# KiCad board tc2-panel.kicad_pcb
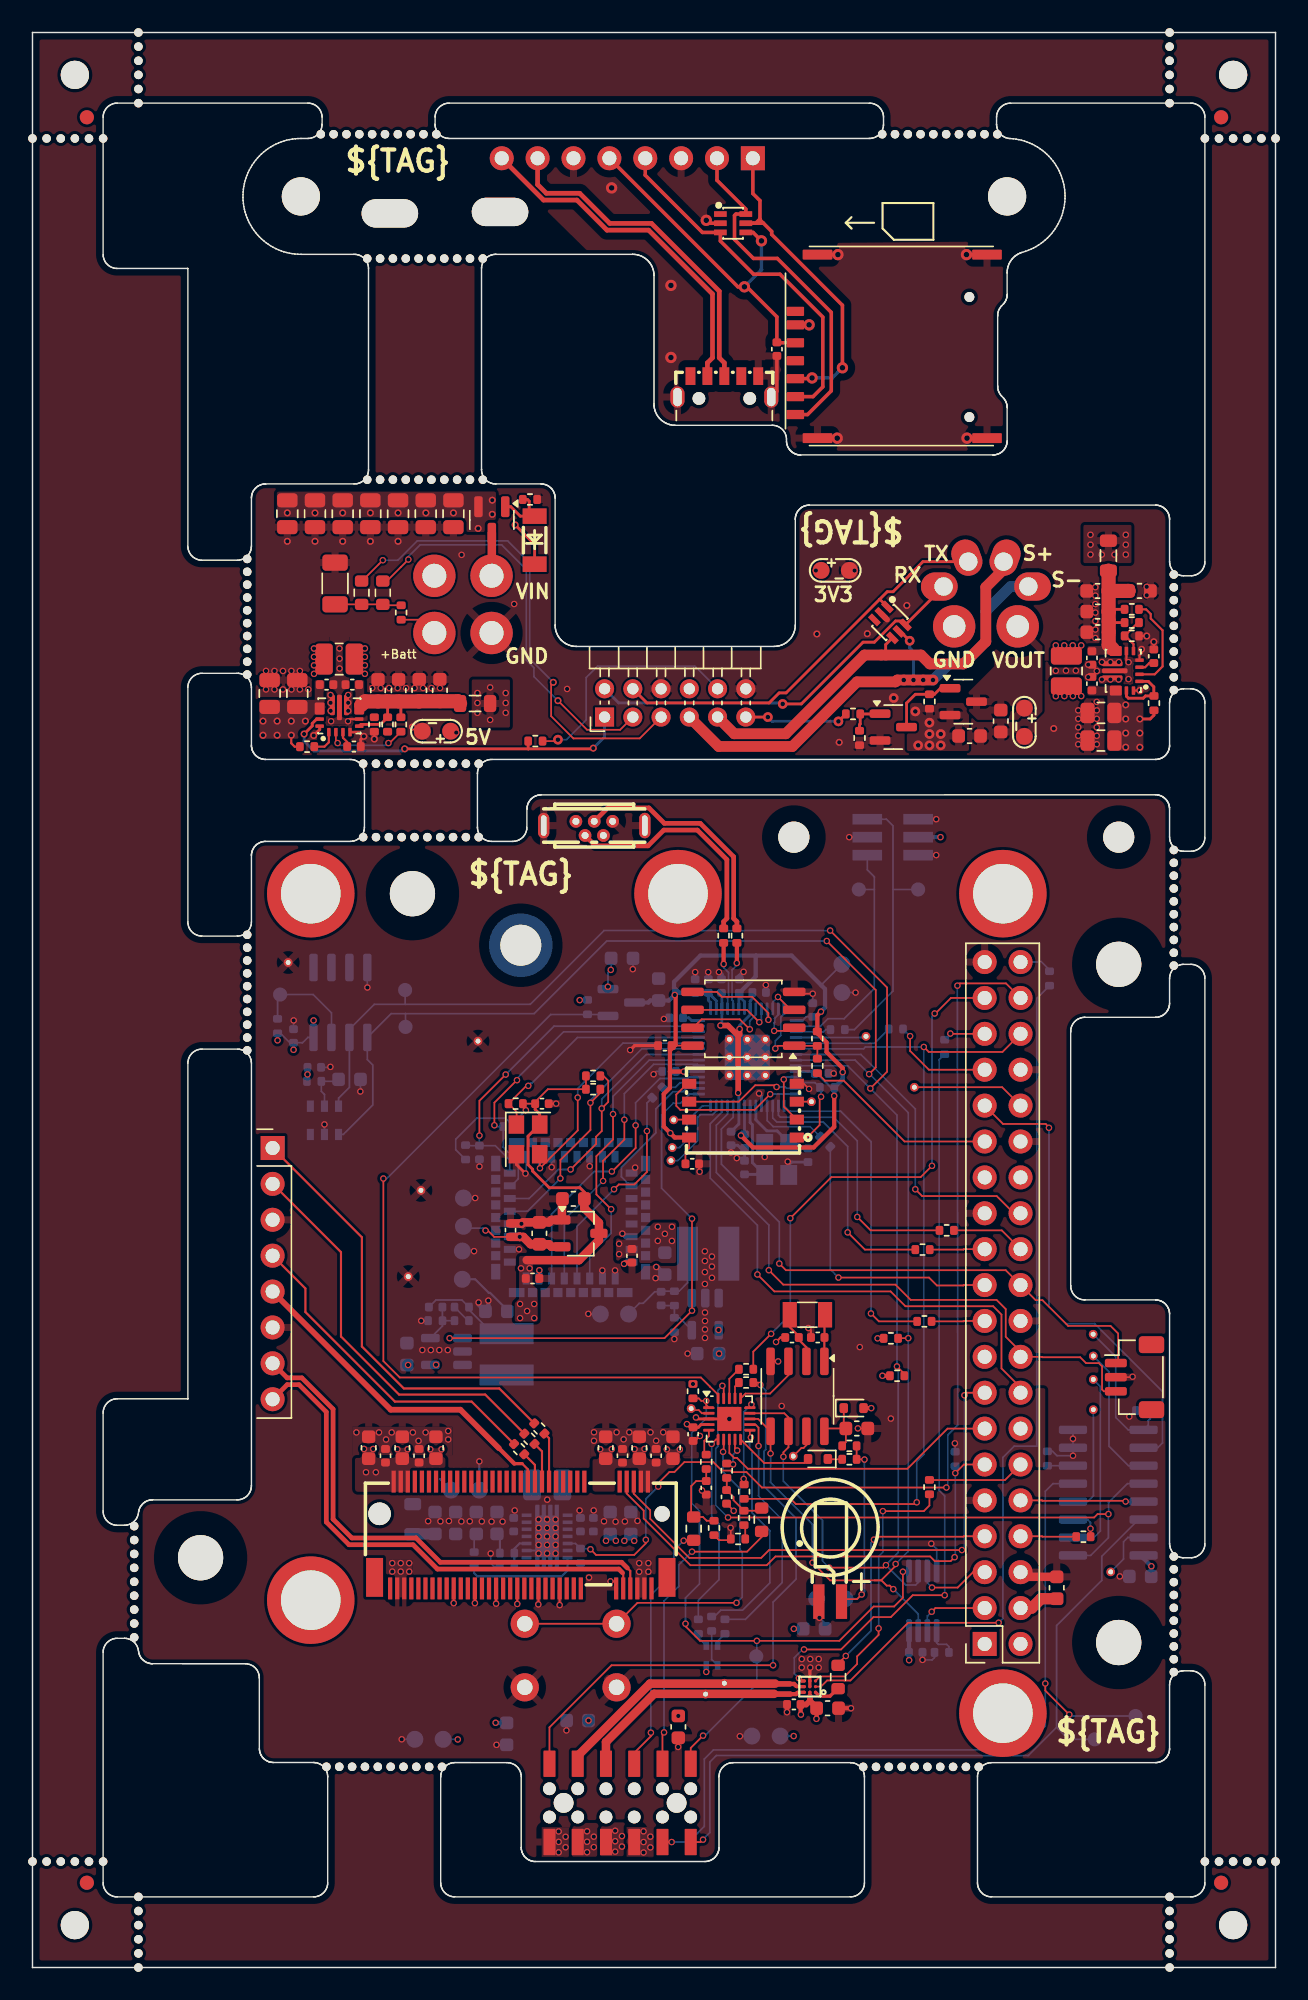
[diagram p0: board, top side]
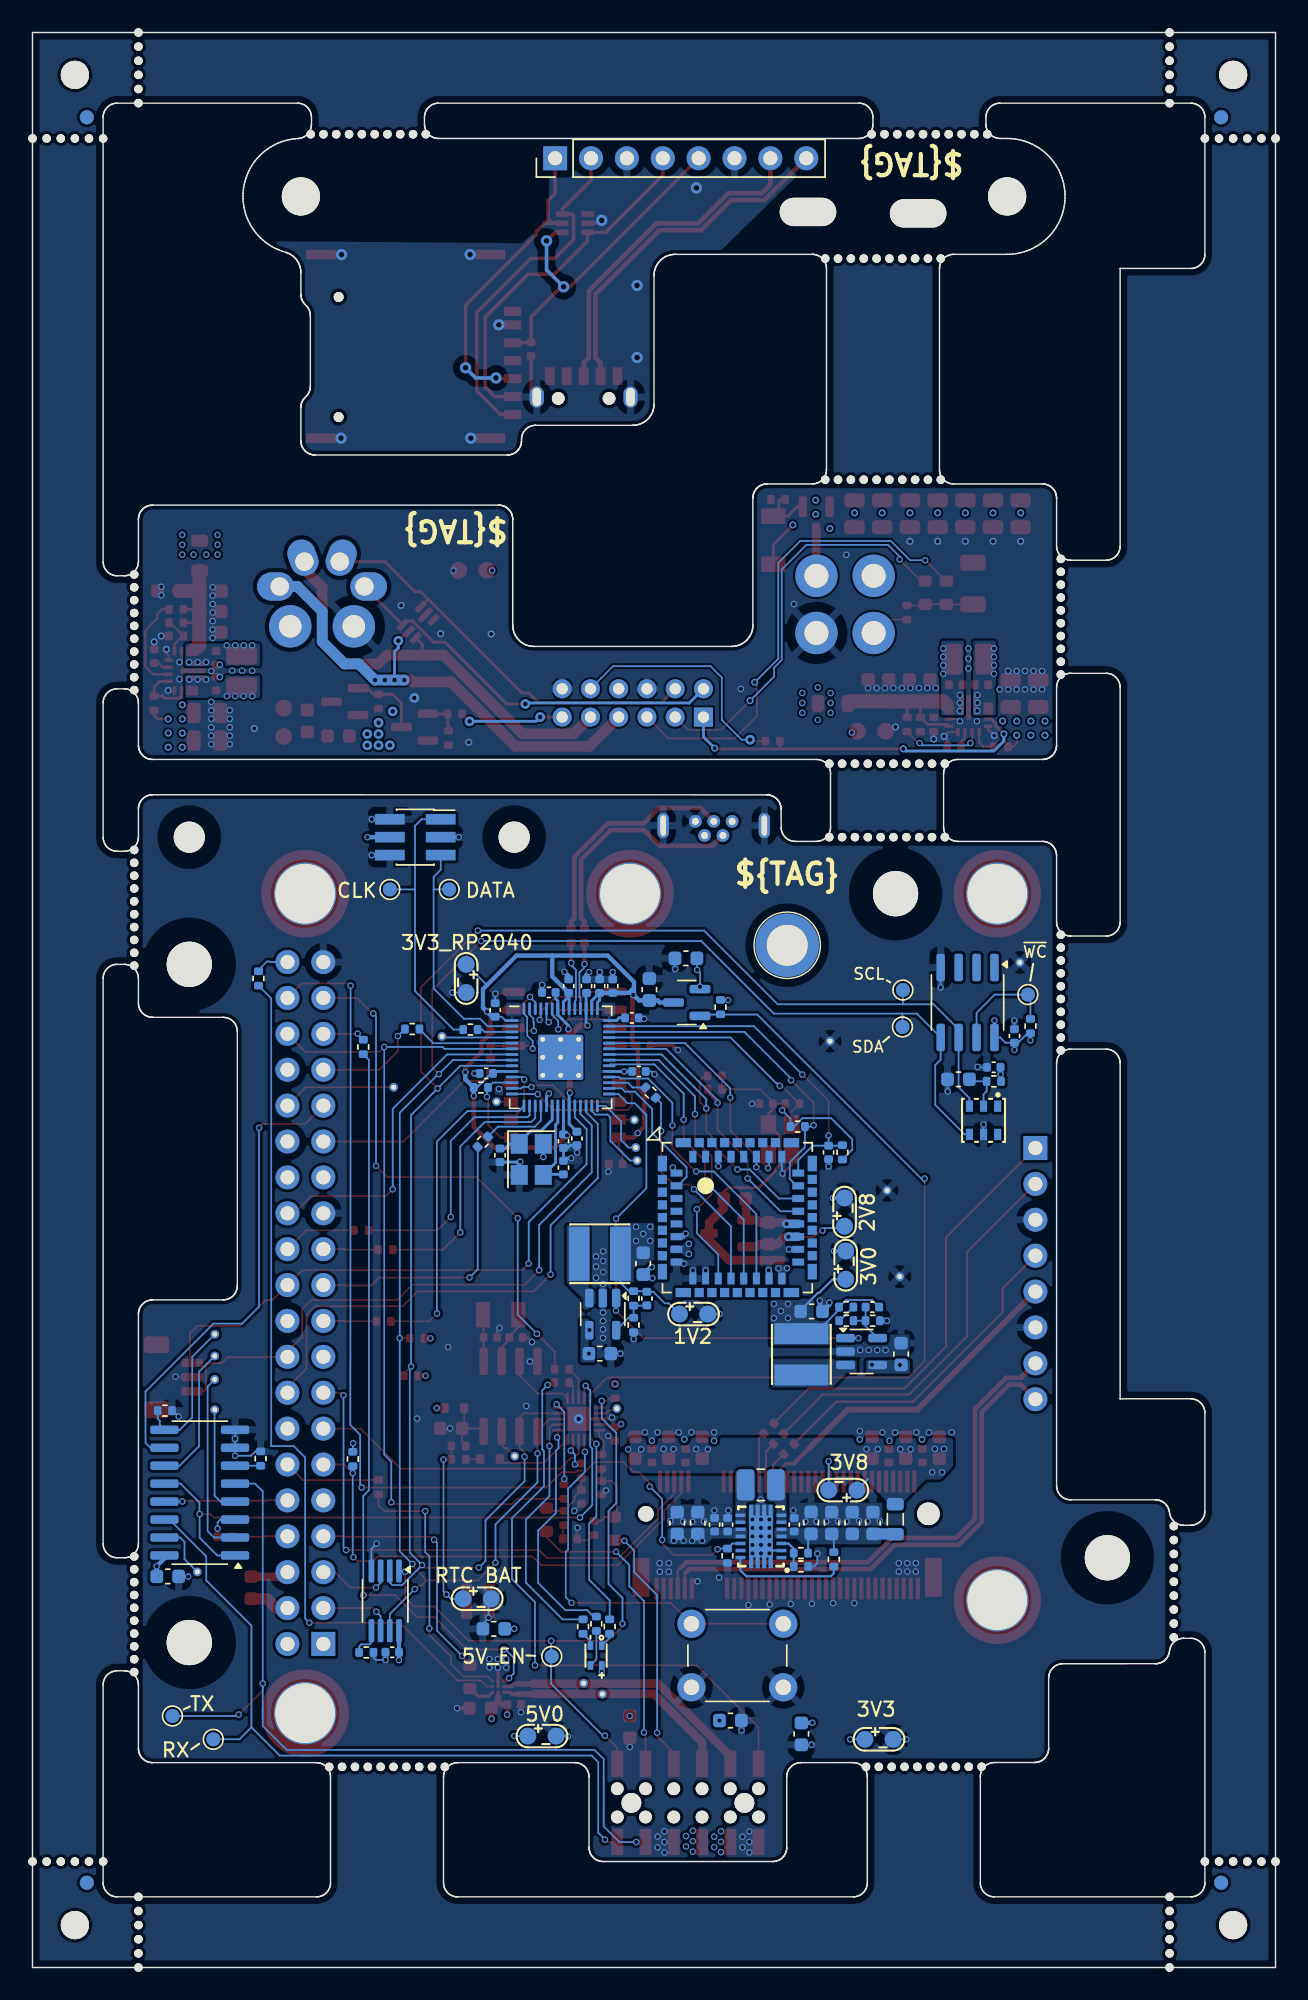
[diagram p1: board, bottom side, seen from below]

Outline 88 x 136.95 mm; copper layers: Top, In1.Cu, In2.Cu, In3.Cu, In4.Cu, Bottom. Coordinates in mm from the lower left corner of the outline.
Stack: Top 0.035mm / dielectric 0.1mm FR4 er 4.5 / In1.Cu 0.035mm / dielectric 0.535mm FR4 er 4.5 / In2.Cu 0.035mm / dielectric 0.1mm FR4 er 4.5 / In3.Cu 0.035mm / dielectric 0.535mm FR4 er 4.5 / In4.Cu 0.035mm / dielectric 0.1mm FR4 er 4.5 / Bottom 0.035mm

## Placement (name value [footprint] x y rotation side)
BT101  Battery_Cell  [CAP-SMD_FL11E]  56.47 26.07 270 top
C101  220nF  [C_0402_1005Metric]  51.45 69.01 0 bottom
C102  220nF  [C_0402_1005Metric]  49.46 58.67 270 bottom
C103  220nF  [C_0402_1005Metric]  55.88 63.28 0 bottom
C104  220nF  [C_0402_1005Metric]  45.07 63.42 180 bottom
C105  220nF  [C_0402_1005Metric]  45.57 67.21 180 bottom
C106  220nF  [C_0402_1005Metric]  55.24 67.77 90 bottom
C107  220nF  [C_0402_1005Metric]  50.41 58.48 270 bottom
C108  220nF  [C_0402_1005Metric]  50.04 69.46 90 bottom
C109  220nF  [C_0402_1005Metric]  46.92 69.46 90 bottom
C110  10uF  [C_0603_1608Metric]  44.33 69.22 90 bottom
C111  10uF  [C_0603_1608Metric]  41.74 71.43 0 bottom
C112  1u  [C_0402_1005Metric]  48.78 69.46 90 bottom
C113  1u  [C_0402_1005Metric]  47.85 69.46 90 bottom
C114  220nF  [C_0402_1005Metric]  44.77 65.25 180 top
C115  12pF  [C_0402_1005Metric]  54.9 57.48 90 bottom
C116  12pF  [C_0402_1005Metric]  50.41 56.62 270 bottom
C117  220nF  [C_0402_1005Metric]  46.71 56.88 0 top
C118  1u  [C_0402_1005Metric]  19.95 63.71 0 bottom
C119  10uF  [C_0603_1608Metric]  22.45 62.86 0 bottom
C120  10uF  [C_0603_1608Metric]  58.36 38.15 0 top
C121  220nF  [C_0402_1005Metric]  18.48 65.93 270 bottom
C122  22pF  [C_0402_1005Metric]  55.59 44.59 180 top
C123  22pF  [C_0402_1005Metric]  53.77 44.59 180 top
C124  22uF  [C_0603_1608Metric]  55.34 23.97 0 bottom
C125  22uF  [C_0603_1608Metric]  33.57 16.54 270 bottom
C126  22uF  [C_0603_1608Metric]  45.72 17.03 270 top
C127  22uF  [C_0603_1608Metric]  38.59 17.48 180 bottom
C128  10uF  [C_0603_1608Metric]  56.29 18.35 0 top
C129  220nF  [C_0402_1005Metric]  53.9 18.62 0 top
C130  220nF  [C_0402_1005Metric]  62.53 22.31 180 bottom
C131  22uF  [C_0603_1608Metric]  72.51 26.88 90 top
C132  10uF  [C_0603_1608Metric]  78.42 27.68 180 bottom
C133  10uF  [C_0603_1608Metric]  26.51 43.42 90 bottom
C134  12pF  [C_0402_1005Metric]  28.54 46.74 180 bottom
C135  10uF  [C_0603_1608Metric]  32.84 46.44 180 bottom
C136  10uF  [C_0603_1608Metric]  47.83 43.45 180 bottom
C137  10uF  [C_0603_1608Metric]  38.29 54.4 180 top
C138  10uF  [C_0603_1608Metric]  35.88 51.96 90 top
C139  12pF  [C_0402_1005Metric]  44.5 47.35 90 bottom
C140  10uF  [C_0603_1608Metric]  44.77 49.82 270 bottom
C141  220nF  [C_0402_1005Metric]  36.07 61.14 0 top
C142  220nF  [C_0402_1005Metric]  42.44 50.38 270 top
C143  220nF  [C_0402_1005Metric]  35.4 48.77 0 top
C144  220nF  [C_0402_1005Metric]  33.84 52.19 90 top
C145  220nF  [C_0402_1005Metric]  31.64 57.69 270 bottom
C146  22uF  [C_0603_1608Metric]  42.36 31.46 90 bottom
C147  22uF  [C_0603_1608Metric]  40.9 31.46 90 bottom
C148  220nF  [C_0402_1005Metric]  39.71 31.34 270 bottom
C149  12pF  [C_0402_1005Metric]  38.79 31.34 270 bottom
C150  220nF  [C_0402_1005Metric]  34.07 31.34 270 bottom
C151  22uF  [C_0603_1608Metric]  28.5 31.46 90 bottom
C152  22uF  [C_0603_1608Metric]  32.88 31.46 90 bottom
C153  22uF  [C_0603_1608Metric]  31.42 31.46 90 bottom
C154  22uF  [C_0603_1608Metric]  29.96 31.46 90 bottom
C155  22uF  [C_0603_1608Metric]  40.58 36.79 90 top
C156  22uF  [C_0603_1608Metric]  42.96 36.79 90 top
C157  22uF  [C_0603_1608Metric]  45.34 36.79 90 top
C158  220nF  [C_0402_1005Metric]  44.15 36.22 270 top
C159  12pF  [C_0402_1005Metric]  41.77 36.22 270 top
C160  22uF  [C_0603_1608Metric]  23.8 36.79 90 top
C161  22uF  [C_0603_1608Metric]  26.18 36.79 90 top
C162  22uF  [C_0603_1608Metric]  28.56 36.79 90 top
C163  220nF  [C_0402_1005Metric]  24.99 36.22 270 top
C164  12pF  [C_0402_1005Metric]  27.37 36.22 270 top
C165  22pF  [C_0402_1005Metric]  47.7 33.95 90 top
C166  220nF  [C_0402_1005Metric]  46.77 37.75 90 top
C167  22pF  [C_0402_1005Metric]  49.14 33.31 90 top
C201  22uF  [C_0805_2012Metric]  29.8 102.89 270 top
C202  22uF  [C_0805_2012Metric]  25.88 102.89 270 top
C203  22uF  [C_0805_2012Metric]  23.92 102.89 270 top
C204  22uF  [C_0805_2012Metric]  21.96 102.89 270 top
C205  22uF  [C_0805_2012Metric]  20 102.89 270 top
C206  22uF  [C_0805_2012Metric]  27.84 102.89 270 top
C207  22uF  [C_0805_2012Metric]  18.04 102.89 270 top
C208  10uF  [C_0603_1608Metric]  66.34 87.16 0 top
C209  10uF  [C_0603_1608Metric]  68.55 88.22 270 top
C210  22uF  [C_0805_2012Metric]  75.64 86.84 180 top
C211  22uF  [C_0805_2012Metric]  75.64 88.8 180 top
C212  2.2uF  [C_0402_1005Metric]  75 90.87 90 top
C213  10uF  [C_0402_1005Metric]  75 92.69 270 top
C214  22uF  [C_0603_1608Metric]  75.41 94.5 180 top
C215  22uF  [C_0603_1608Metric]  75.41 95.97 180 top
C216  22uF  [C_0603_1608Metric]  75.41 97.42 180 top
C217  22uF  [C_0603_1608Metric]  78.37 97.43 0 top
C218  100nF  [C_0402_1005Metric]  79.38 92.81 90 top
C219  22uF  [C_0805_2012Metric]  16.79 90.16 90 top
C220  22uF  [C_0805_2012Metric]  18.75 90.16 90 top
C221  2.2uF  [C_0402_1005Metric]  20.82 90.8 0 top
C222  10uF  [C_0402_1005Metric]  22.64 90.8 180 top
C223  22uF  [C_0603_1608Metric]  24.46 90.38 90 top
C224  22uF  [C_0603_1608Metric]  25.92 90.38 90 top
C225  22uF  [C_0603_1608Metric]  27.38 90.4 90 top
C226  22uF  [C_0603_1608Metric]  28.84 90.4 90 top
C227  100nF  [C_0402_1005Metric]  22.76 86.41 0 top
C228  1uF  [C_1206_3216Metric]  21.42 97.95 90 top
C501  220nF  [C_0402_1005Metric]  52.7 114.54 90 top
D101  D  [D_SOD-523]  58.13 39.59 0 top
D102  D  [D_SOD-523]  55.61 35.99 180 top
D201  D_Zener  [LL-34_L3.5-W1.5-RD]  35.55 101.02 90 top
D202  SMF05CT1G  [SOT-363_L2.0-W1.3-P0.65-LS2.1-BR]  60.7 95.2 135 top
D501  SMF05CT1G  [SOT-363_L2.0-W1.3-P0.65-LS2.1-BR]  49.6 123.45 180 top
FB101  FerriteBead  [L_0805_2012Metric]  26.92 31.73 90 bottom
FB201  FerriteBead  [L_0805_2012Metric]  76.17 99.92 90 top
FB202  FerriteBead  [L_0805_2012Metric]  31.33 89.46 0 top
H101  MountingHole  [MountingHole_2.2mm_M2]  76.9 80 180 bottom
H102  MountingHole  [MountingHole_2.2mm_M2]  53.9 80 180 bottom
H103  MountingHole  [MountingHole_3.2mm_M3]  26.9 76 180 bottom
H104  MountingHole  [MountingHole_3.2mm_M3]  76.9 23 180 bottom
H105  MountingHole  [MountingHole_3.2mm_M3]  76.9 71 180 bottom
H106  MountingHole  [MountingHole_3.2mm_M3]  11.9 29 180 bottom
H501  MountingHole  [MountingHole_2.7mm_M2.5]  69 125.35 270 top
H502  MountingHole  [MountingHole_2.7mm_M2.5]  19 125.35 270 top
J101  Conn_02x03_Odd_Even  [mic-pcb]  60.9 80 180 bottom
J102  USB_B_Micro  [MICRO-USB-TH_MICRO-USB-A14]  39.77 80.62 0 top  (not fitted)
J103  Conn_01x03  [JST_SH_BM03B-SRSS-TB_1x03-1MP_P1.00mm_Vertical]  78.02 41.78 270 top
J104  Conn_02x06_Odd_Even  [power-pcb-3.1]  41.6 11.65 180 top
J105  Screw_Terminal_01x01  [smd_nut_SMTSO25]  68.7 76 0 top
J106  Screw_Terminal_01x01  [smd_nut_SMTSO25]  19.7 26 0 top
J107  Screw_Terminal_01x01  [smd_nut_SMTSO25]  19.7 76 0 top
J108  Screw_Terminal_01x01  [smd_nut_SMTSO25]  45.7 76 0 top
J109  Screw_Terminal_01x01  [smd_nut_SMTSO25]  68.7 18 0 top
J110  Raspberry_Pi_2_3  [rpi-throughhole-socket]  67.41 22.9 180 top
J111  Conn_01x08  [sim-usb-pcb]  17 58 0 top
J112  Screw_Terminal_01x01  [M2_modem_mount_screw]  34.57 72.35 180 bottom
J201  JCON_M16_04Pin  [jcon-4pin_m16]  30.48 96.47 90 top
J202  JCON_M16_2+4Pin  [jcon-2+4pin-m16]  67.5 96.5 0 top
J203  Conn_02x06_Odd_Even  [PinHeader_2x06_P2.00mm_Horizontal]  40.5 88.5 90 top
J501  Conn_01x08  [PinHeader_1x08_P2.54mm_Vertical]  51 128.05 90 bottom
KiKit_FID_B_1  -  [Fiducial]  3.85 130.95 180 bottom
KiKit_FID_B_2  -  [Fiducial]  84.15 130.95 180 bottom
KiKit_FID_B_3  -  [Fiducial]  3.85 6 180 bottom
KiKit_FID_B_4  -  [Fiducial]  84.15 6 180 bottom
KiKit_FID_T_1  -  [Fiducial]  3.85 130.95 0 top
KiKit_FID_T_2  -  [Fiducial]  84.15 130.95 0 top
KiKit_FID_T_3  -  [Fiducial]  3.85 6 0 top
KiKit_FID_T_4  -  [Fiducial]  84.15 6 0 top
KiKit_MB_1_2  -  [NPTH]  15.2 64.91 0 top
KiKit_MB_1_3  -  [NPTH]  15.2 65.82 0 top
KiKit_MB_1_4  -  [NPTH]  15.2 66.73 0 top
KiKit_MB_1_5  -  [NPTH]  15.2 67.64 0 top
KiKit_MB_1_6  -  [NPTH]  15.2 68.55 0 top
KiKit_MB_1_7  -  [NPTH]  15.2 69.45 0 top
KiKit_MB_1_8  -  [NPTH]  15.2 70.36 0 top
KiKit_MB_1_9  -  [NPTH]  15.2 71.27 0 top
KiKit_MB_1_10  -  [NPTH]  15.2 72.18 0 top
KiKit_MB_1_11  -  [NPTH]  15.2 73.09 0 top
KiKit_MB_2_2  -  [NPTH]  28.99 14.2 0 top
KiKit_MB_2_3  -  [NPTH]  28.08 14.2 0 top
KiKit_MB_2_4  -  [NPTH]  27.17 14.2 0 top
KiKit_MB_2_5  -  [NPTH]  26.26 14.2 0 top
KiKit_MB_2_6  -  [NPTH]  25.36 14.2 0 top
KiKit_MB_2_7  -  [NPTH]  24.45 14.21 0 top
KiKit_MB_2_8  -  [NPTH]  23.54 14.21 0 top
KiKit_MB_2_9  -  [NPTH]  22.63 14.21 0 top
KiKit_MB_2_10  -  [NPTH]  21.72 14.21 0 top
KiKit_MB_2_11  -  [NPTH]  20.81 14.21 0 top
KiKit_MB_3_2  -  [NPTH]  66.99 14.2 0 top
KiKit_MB_3_3  -  [NPTH]  66.08 14.2 0 top
KiKit_MB_3_4  -  [NPTH]  65.17 14.2 0 top
KiKit_MB_3_5  -  [NPTH]  64.26 14.2 0 top
KiKit_MB_3_6  -  [NPTH]  63.35 14.2 0 top
KiKit_MB_3_7  -  [NPTH]  62.45 14.2 0 top
KiKit_MB_3_8  -  [NPTH]  61.54 14.2 0 top
KiKit_MB_3_9  -  [NPTH]  60.63 14.2 0 top
KiKit_MB_3_10  -  [NPTH]  59.72 14.2 0 top
KiKit_MB_3_11  -  [NPTH]  58.81 14.2 0 top
KiKit_MB_4_2  -  [NPTH]  7.2 23.36 0 top
KiKit_MB_4_3  -  [NPTH]  7.2 24.35 0 top
KiKit_MB_4_4  -  [NPTH]  7.2 25.33 0 top
KiKit_MB_4_5  -  [NPTH]  7.2 26.32 0 top
KiKit_MB_4_6  -  [NPTH]  7.2 27.3 0 top
KiKit_MB_4_7  -  [NPTH]  7.2 28.28 0 top
KiKit_MB_4_8  -  [NPTH]  7.2 29.27 0 top
KiKit_MB_4_9  -  [NPTH]  7.2 30.25 0 top
KiKit_MB_4_10  -  [NPTH]  7.2 31.24 0 top
KiKit_MB_5_2  -  [NPTH]  80.8 79.09 0 top
KiKit_MB_5_3  -  [NPTH]  80.8 78.18 0 top
KiKit_MB_5_4  -  [NPTH]  80.8 77.27 0 top
KiKit_MB_5_5  -  [NPTH]  80.8 76.36 0 top
KiKit_MB_5_6  -  [NPTH]  80.8 75.45 0 top
KiKit_MB_5_7  -  [NPTH]  80.8 74.55 0 top
KiKit_MB_5_8  -  [NPTH]  80.8 73.64 0 top
KiKit_MB_5_9  -  [NPTH]  80.8 72.73 0 top
KiKit_MB_5_10  -  [NPTH]  80.8 71.82 0 top
KiKit_MB_5_11  -  [NPTH]  80.8 70.91 0 top
KiKit_MB_6_2  -  [NPTH]  23.41 80 0 top
KiKit_MB_6_3  -  [NPTH]  24.32 80 0 top
KiKit_MB_6_4  -  [NPTH]  25.23 80 0 top
KiKit_MB_6_5  -  [NPTH]  26.14 80 0 top
KiKit_MB_6_6  -  [NPTH]  27.05 80 0 top
KiKit_MB_6_7  -  [NPTH]  27.95 80 0 top
KiKit_MB_6_8  -  [NPTH]  28.86 80 0 top
KiKit_MB_6_9  -  [NPTH]  29.77 80 0 top
KiKit_MB_6_10  -  [NPTH]  30.68 80 0 top
KiKit_MB_6_11  -  [NPTH]  31.59 80 0 top
KiKit_MB_7_2  -  [NPTH]  80.8 29.09 0 top
KiKit_MB_7_3  -  [NPTH]  80.8 28.18 0 top
KiKit_MB_7_4  -  [NPTH]  80.8 27.27 0 top
KiKit_MB_7_5  -  [NPTH]  80.8 26.36 0 top
KiKit_MB_7_6  -  [NPTH]  80.8 25.45 0 top
KiKit_MB_7_7  -  [NPTH]  80.8 24.55 0 top
KiKit_MB_7_8  -  [NPTH]  80.8 23.64 0 top
KiKit_MB_7_9  -  [NPTH]  80.8 22.73 0 top
KiKit_MB_7_10  -  [NPTH]  80.8 21.82 0 top
KiKit_MB_7_11  -  [NPTH]  80.8 20.91 0 top
KiKit_MB_8_2  -  [NPTH]  15.2 91.51 0 top
KiKit_MB_8_3  -  [NPTH]  15.2 92.42 0 top
KiKit_MB_8_4  -  [NPTH]  15.2 93.33 0 top
KiKit_MB_8_5  -  [NPTH]  15.2 94.24 0 top
KiKit_MB_8_6  -  [NPTH]  15.2 95.15 0 top
KiKit_MB_8_7  -  [NPTH]  15.2 96.05 0 top
KiKit_MB_8_8  -  [NPTH]  15.2 96.96 0 top
KiKit_MB_8_9  -  [NPTH]  15.2 97.87 0 top
KiKit_MB_8_10  -  [NPTH]  15.2 98.78 0 top
KiKit_MB_8_11  -  [NPTH]  15.2 99.69 0 top
KiKit_MB_9_2  -  [NPTH]  80.8 98.59 0 top
KiKit_MB_9_3  -  [NPTH]  80.8 97.68 0 top
KiKit_MB_9_4  -  [NPTH]  80.8 96.77 0 top
KiKit_MB_9_5  -  [NPTH]  80.8 95.86 0 top
KiKit_MB_9_6  -  [NPTH]  80.8 94.95 0 top
KiKit_MB_9_7  -  [NPTH]  80.8 94.05 0 top
KiKit_MB_9_8  -  [NPTH]  80.8 93.14 0 top
KiKit_MB_9_9  -  [NPTH]  80.8 92.23 0 top
KiKit_MB_9_10  -  [NPTH]  80.8 91.32 0 top
KiKit_MB_9_11  -  [NPTH]  80.8 90.41 0 top
KiKit_MB_10_2  -  [NPTH]  31.59 85.2 0 top
KiKit_MB_10_3  -  [NPTH]  30.68 85.2 0 top
KiKit_MB_10_4  -  [NPTH]  29.77 85.2 0 top
KiKit_MB_10_5  -  [NPTH]  28.86 85.2 0 top
KiKit_MB_10_6  -  [NPTH]  27.95 85.2 0 top
KiKit_MB_10_7  -  [NPTH]  27.05 85.2 0 top
KiKit_MB_10_8  -  [NPTH]  26.14 85.2 0 top
KiKit_MB_10_9  -  [NPTH]  25.23 85.2 0 top
KiKit_MB_10_10  -  [NPTH]  24.32 85.2 0 top
KiKit_MB_10_11  -  [NPTH]  23.41 85.2 0 top
KiKit_MB_11_2  -  [NPTH]  23.7 105.3 0 top
KiKit_MB_11_3  -  [NPTH]  24.61 105.3 0 top
KiKit_MB_11_4  -  [NPTH]  25.52 105.3 0 top
KiKit_MB_11_5  -  [NPTH]  26.43 105.3 0 top
KiKit_MB_11_6  -  [NPTH]  27.33 105.3 0 top
KiKit_MB_11_7  -  [NPTH]  28.24 105.3 0 top
KiKit_MB_11_8  -  [NPTH]  29.15 105.3 0 top
KiKit_MB_11_9  -  [NPTH]  30.06 105.3 0 top
KiKit_MB_11_10  -  [NPTH]  30.97 105.3 0 top
KiKit_MB_11_11  -  [NPTH]  31.88 105.3 0 top
KiKit_MB_12_2  -  [NPTH]  31.88 120.95 0 top
KiKit_MB_12_3  -  [NPTH]  30.97 120.95 0 top
KiKit_MB_12_4  -  [NPTH]  30.06 120.95 0 top
KiKit_MB_12_5  -  [NPTH]  29.15 120.95 0 top
KiKit_MB_12_6  -  [NPTH]  28.24 120.95 0 top
KiKit_MB_12_7  -  [NPTH]  27.33 120.95 0 top
KiKit_MB_12_8  -  [NPTH]  26.43 120.95 0 top
KiKit_MB_12_9  -  [NPTH]  25.52 120.95 0 top
KiKit_MB_12_10  -  [NPTH]  24.61 120.95 0 top
KiKit_MB_12_11  -  [NPTH]  23.7 120.95 0 top
KiKit_MB_13_2  -  [NPTH]  20.41 129.75 0 top
KiKit_MB_13_3  -  [NPTH]  21.32 129.75 0 top
KiKit_MB_13_4  -  [NPTH]  22.23 129.75 0 top
KiKit_MB_13_5  -  [NPTH]  23.14 129.75 0 top
KiKit_MB_13_6  -  [NPTH]  24.05 129.75 0 top
KiKit_MB_13_7  -  [NPTH]  24.95 129.75 0 top
KiKit_MB_13_8  -  [NPTH]  25.86 129.75 0 top
KiKit_MB_13_9  -  [NPTH]  26.77 129.75 0 top
KiKit_MB_13_10  -  [NPTH]  27.68 129.75 0 top
KiKit_MB_13_11  -  [NPTH]  28.59 129.75 0 top
KiKit_MB_14_2  -  [NPTH]  60.15 129.75 0 top
KiKit_MB_14_3  -  [NPTH]  61.06 129.75 0 top
KiKit_MB_14_4  -  [NPTH]  61.97 129.75 0 top
KiKit_MB_14_5  -  [NPTH]  62.87 129.75 0 top
KiKit_MB_14_6  -  [NPTH]  63.78 129.75 0 top
KiKit_MB_14_7  -  [NPTH]  64.68 129.75 0 top
KiKit_MB_14_8  -  [NPTH]  65.59 129.75 0 top
KiKit_MB_14_9  -  [NPTH]  66.5 129.75 0 top
KiKit_MB_14_10  -  [NPTH]  67.4 129.75 0 top
KiKit_MB_14_11  -  [NPTH]  68.31 129.75 0 top
KiKit_MB_15_1  -  [NPTH]  7.5 136.95 0 top
KiKit_MB_15_2  -  [NPTH]  7.5 135.95 0 top
KiKit_MB_15_3  -  [NPTH]  7.5 134.95 0 top
KiKit_MB_15_4  -  [NPTH]  7.5 133.95 0 top
KiKit_MB_15_5  -  [NPTH]  7.5 132.95 0 top
KiKit_MB_15_6  -  [NPTH]  7.5 131.95 0 top
KiKit_MB_16_1  -  [NPTH]  80.5 136.95 0 top
KiKit_MB_16_2  -  [NPTH]  80.5 135.95 0 top
KiKit_MB_16_3  -  [NPTH]  80.5 134.95 0 top
KiKit_MB_16_4  -  [NPTH]  80.5 133.95 0 top
KiKit_MB_16_5  -  [NPTH]  80.5 132.95 0 top
KiKit_MB_16_6  -  [NPTH]  80.5 131.95 0 top
KiKit_MB_17_1  -  [NPTH]  7.5 5 0 top
KiKit_MB_17_2  -  [NPTH]  7.5 4 0 top
KiKit_MB_17_3  -  [NPTH]  7.5 3 0 top
KiKit_MB_17_4  -  [NPTH]  7.5 2 0 top
KiKit_MB_17_5  -  [NPTH]  7.5 1 0 top
KiKit_MB_17_6  -  [NPTH]  7.5 0 0 top
KiKit_MB_18_1  -  [NPTH]  80.5 5 0 top
KiKit_MB_18_2  -  [NPTH]  80.5 4 0 top
KiKit_MB_18_3  -  [NPTH]  80.5 3 0 top
KiKit_MB_18_4  -  [NPTH]  80.5 2 0 top
KiKit_MB_18_5  -  [NPTH]  80.5 1 0 top
KiKit_MB_18_6  -  [NPTH]  80.5 0 0 top
KiKit_MB_19_1  -  [NPTH]  0 129.45 0 top
KiKit_MB_19_2  -  [NPTH]  1 129.45 0 top
KiKit_MB_19_3  -  [NPTH]  2 129.45 0 top
KiKit_MB_19_4  -  [NPTH]  3 129.45 0 top
KiKit_MB_19_5  -  [NPTH]  4 129.45 0 top
KiKit_MB_19_6  -  [NPTH]  5 129.45 0 top
KiKit_MB_20_1  -  [NPTH]  0 7.5 0 top
KiKit_MB_20_2  -  [NPTH]  1 7.5 0 top
KiKit_MB_20_3  -  [NPTH]  2 7.5 0 top
KiKit_MB_20_4  -  [NPTH]  3 7.5 0 top
KiKit_MB_20_5  -  [NPTH]  4 7.5 0 top
KiKit_MB_20_6  -  [NPTH]  5 7.5 0 top
KiKit_MB_21_1  -  [NPTH]  83 129.45 0 top
KiKit_MB_21_2  -  [NPTH]  84 129.45 0 top
KiKit_MB_21_3  -  [NPTH]  85 129.45 0 top
KiKit_MB_21_4  -  [NPTH]  86 129.45 0 top
KiKit_MB_21_5  -  [NPTH]  87 129.45 0 top
KiKit_MB_21_6  -  [NPTH]  88 129.45 0 top
KiKit_MB_22_1  -  [NPTH]  83 7.5 0 top
KiKit_MB_22_2  -  [NPTH]  84 7.5 0 top
KiKit_MB_22_3  -  [NPTH]  85 7.5 0 top
KiKit_MB_22_4  -  [NPTH]  86 7.5 0 top
KiKit_MB_22_5  -  [NPTH]  87 7.5 0 top
KiKit_MB_22_6  -  [NPTH]  88 7.5 0 top
KiKit_TO_1  -  [NPTH#2]  3 133.95 0 top
KiKit_TO_2  -  [NPTH#2]  85 133.95 0 top
KiKit_TO_3  -  [NPTH#2]  3 3 0 top
KiKit_TO_4  -  [NPTH#2]  85 3 0 top
L101  4.7uH  [IND-SMD_L4.0-W4.0_SWPA4018S]  33.57 43.4 270 bottom
L102  4.7uH  [IND-SMD_L4.0-W4.0_SWPA4018S]  47.84 50.52 0 bottom
L103  INDUCTOR  [L_1008_2520Metric]  36.44 34.16 180 bottom
L201  INDUCTOR  [L_1008_2520Metric]  73.19 91.76 90 top
L202  INDUCTOR  [L_1008_2520Metric]  21.71 92.6 0 top
LED101  NH-B1515RGBA-HF  [LED-ARRAY-SMD_4P-L1.6-W1.5-TL_NH-B1515RGBA]  48.1 22.08 270 bottom
Q101  Q_PMOS_GSD  [SOT-23]  41.68 68.3 0 bottom
Q201  Q_PMOS_GSD  [SOT-23]  32.52 102.45 270 top
Q202  Q_PMOS_GSD  [SOT-23]  65.89 89.59 0 top
Q203  AO3400A  [SOT-23]  60.94 87.79 0 top
R101  100k  [R_0402_1005Metric]  39.29 67.97 90 bottom
R102  22ohm  [R_0402_1005Metric]  49.87 73.03 90 top
R103  22ohm  [R_0402_1005Metric]  48.93 73.03 90 top
R104  22ohm  [R_0402_1005Metric]  57 66.38 0 bottom
R105  10k  [R_0402_1005Metric]  60.77 44.53 0 top
R106  1k  [R_0402_1005Metric]  61.12 66.42 180 bottom
R107  10k  [R_0402_1005Metric]  61.21 41.88 0 top
R108  DNF  [R_0402_1005Metric]  55.56 65.74 270 top  (not fitted)
R109  1k  [R_0402_1005Metric]  55.57 63.81 270 top
R110  22ohm  [R_0402_1005Metric]  56.12 58.44 315 bottom
R111  100k  [R_0402_1005Metric]  56.26 62.28 0 bottom
R112  180R  [R_0402_1005Metric]  19.94 62.72 0 bottom
R113  1k  [R_0402_1005Metric]  57.83 35.97 180 top
R114  1k  [R_0402_1005Metric]  57.83 36.92 0 top
R115  100k  [R_0402_1005Metric]  17.35 66.63 270 bottom
R116  1M  [R_0603_1608Metric]  57.03 20.56 270 top
R117  100k  [R_0402_1005Metric]  64.37 22.3 0 bottom
R118  1k  [R_0402_1005Metric]  74.4 30.49 0 top
R119  22ohm  [R_0402_1005Metric]  63.5 34 90 top
R120  22ohm  [R_0402_1005Metric]  64.58 65.15 90 bottom
R121  22ohm  [R_0402_1005Metric]  72 70 90 bottom
R122  22ohm  [R_0402_1005Metric]  64.72 52.17 180 top
R123  22ohm  [R_0402_1005Metric]  63.14 45.73 180 top
R124  22ohm  [R_0402_1005Metric]  63.01 50.81 180 top
R125  100k  [R_0402_1005Metric]  71.85 36.02 270 bottom
R126  100k  [R_0402_1005Metric]  78.63 39.41 0 bottom
R127  10k  [R_0402_1005Metric]  30.39 46.74 0 bottom
R128  390k  [R_0402_1005Metric]  30.39 45.78 0 bottom
R129  100k  [R_0402_1005Metric]  28.52 45.78 180 bottom
R130  100k  [R_0402_1005Metric]  45.44 47.36 90 bottom
R131  100k  [R_0402_1005Metric]  45.44 45.48 270 bottom
R132  100k  [R_0402_1005Metric]  34.21 61.14 0 top
R133  100k  [R_0402_1005Metric]  33.83 59.52 180 bottom
R134  100k  [R_0402_1005Metric]  30.66 57.7 90 bottom
R135  22ohm  [R_0402_1005Metric]  44.24 61.92 225 bottom
R136  100k  [R_0402_1005Metric]  39.69 63.1 0 top
R137  100k  [R_0402_1005Metric]  39.69 62.16 0 top
R138  1M  [R_0402_1005Metric]  33.6 29.33 0 bottom
R139  1M  [R_0402_1005Metric]  31.27 28.89 270 bottom
R140  150k  [R_0402_1005Metric]  33.6 28.39 180 bottom
R141  100k  [R_0402_1005Metric]  38.8 29.14 270 bottom
R142  100k  [R_0402_1005Metric]  65.32 35.99 270 bottom
R143  22ohm  [R_0402_1005Metric]  35.88 38.15 135 top
R144  22ohm  [R_0402_1005Metric]  35.18 37.42 135 top
R145  22ohm  [R_0402_1005Metric]  34.45 36.69 135 top
R146  1M  [R_0603_1608Metric]  46.81 31.06 90 top
R147  10k  [R_0402_1005Metric]  47.7 35.79 270 top
R149  100k  [R_0402_1005Metric]  46.76 40.79 90 top
R150  1M  [R_0603_1608Metric]  51.62 31.69 90 top
R151  10k  [R_0402_1005Metric]  49.15 35.16 270 top
R152  100k  [R_0402_1005Metric]  50.37 31.82 270 top
R153  68k  [R_0402_1005Metric]  49.95 30.33 180 top
R154  1k  [R_0402_1005Metric]  50.38 33.68 270 top
R155  1k  [R_0402_1005Metric]  50.52 41.4 0 top
R156  1k  [R_0402_1005Metric]  50.52 42.34 0 top
R157  180R  [R_0402_1005Metric]  47.14 24.13 270 bottom
R158  180R  [R_0402_1005Metric]  49.02 24.13 270 bottom
R159  180R  [R_0402_1005Metric]  48.08 24.33 270 bottom
R160  470k  [R_0402_1005Metric]  48.25 31.11 270 top
R201  100k  [R_0402_1005Metric]  35.22 103.9 0 top
R202  1M  [R_0603_1608Metric]  24.8 97.3 90 top
R203  1M  [R_0603_1608Metric]  23.3 97.3 90 top
R204  100k  [R_0402_1005Metric]  63.5 89.6 270 top
R205  1k  [R_0402_1005Metric]  58.09 88.72 0 top